# Altium PCB AiwacA33.PcbDoc (part 12 of 14) (continued)
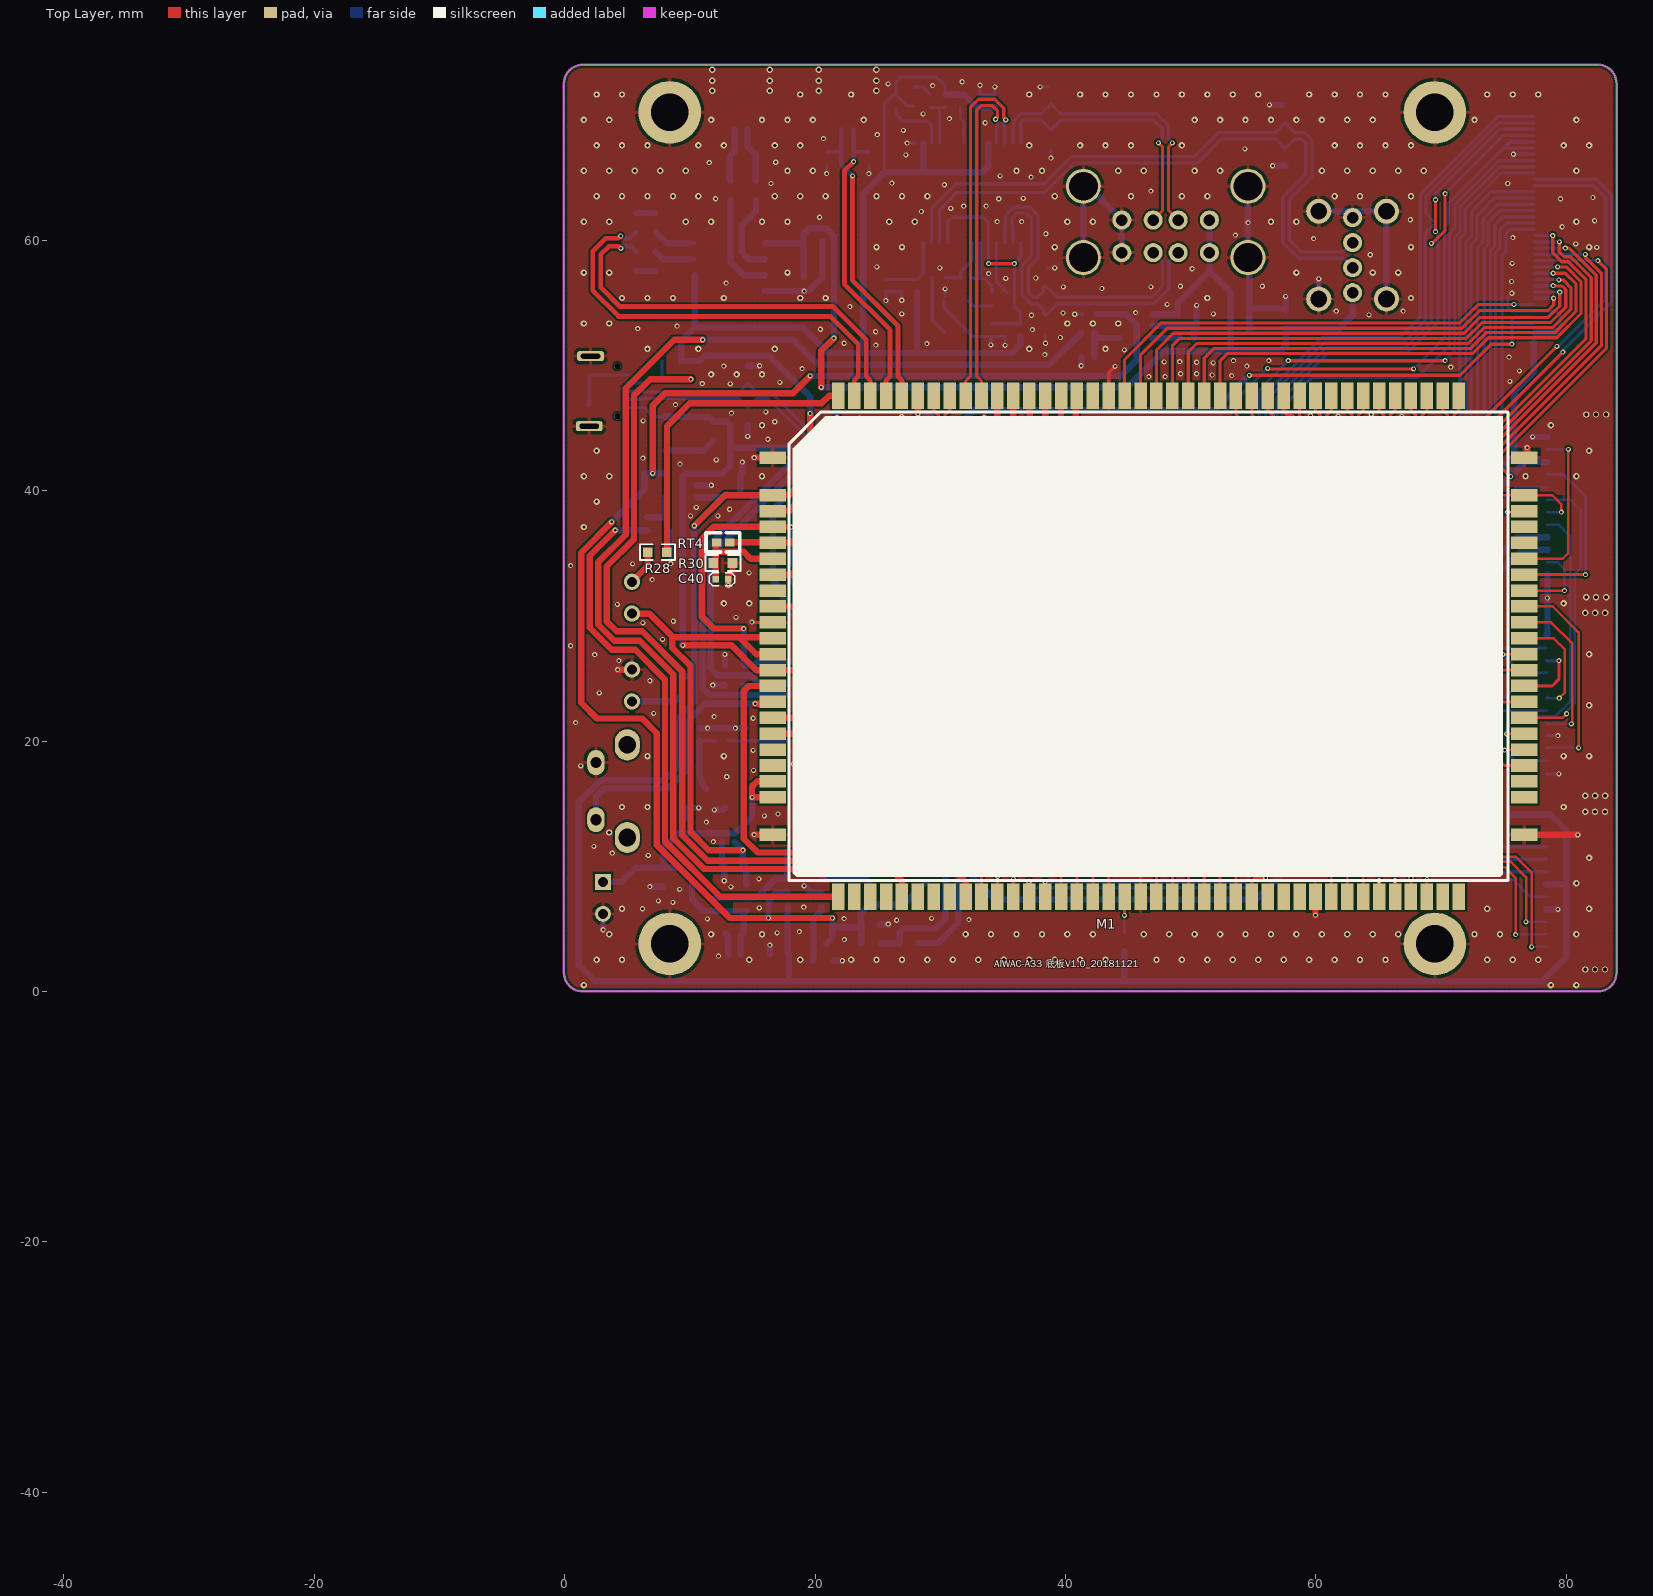
[diagram p0: Top Layer view]
## Free pads (board coordinates) (continued)
  round 0.005 on Mech3: 1(-39.047,-44.148) 1(-39.047,-44.148) 1(-39.047,-44.148) 1(-39.047,-44.096) 1(-39.047,-44.096) 1(-39.047,-44.096) 1(-38.976,-44.148) 1(-38.976,-44.148) 1(-38.976,-44.148) 1(-38.976,-44.096) 1(-38.976,-44.096) 1(-38.976,-44.096)
  round 0.005 on Mech2: 1(-39.047,-44.148) 1(-39.047,-44.148) 1(-39.047,-44.148) 1(-39.047,-44.096) 1(-39.047,-44.096) 1(-39.047,-44.096) 1(-38.976,-44.148) 1(-38.976,-44.148) 1(-38.976,-44.148) 1(-38.976,-44.096) 1(-38.976,-44.096) 1(-38.976,-44.096)
  round 0.005 on Mech10: 1(-39.047,-44.148) 1(-39.047,-44.148) 1(-39.047,-44.148) 1(-39.047,-44.096) 1(-39.047,-44.096) 1(-39.047,-44.096) 1(-38.976,-44.148) 1(-38.976,-44.148) 1(-38.976,-44.148) 1(-38.976,-44.096) 1(-38.976,-44.096) 1(-38.976,-44.096)
  round 0.005 on Mech14: 1(-39.047,-44.148) 1(-39.047,-44.148) 1(-39.047,-44.148) 1(-39.047,-44.096) 1(-39.047,-44.096) 1(-39.047,-44.096) 1(-38.976,-44.148) 1(-38.976,-44.148) 1(-38.976,-44.148) 1(-38.976,-44.096) 1(-38.976,-44.096) 1(-38.976,-44.096)
  round 0.005 on Mech15: 1(-39.047,-44.148) 1(-39.047,-44.148) 1(-39.047,-44.148) 1(-39.047,-44.096) 1(-39.047,-44.096) 1(-39.047,-44.096) 1(-38.976,-44.148) 1(-38.976,-44.148) 1(-38.976,-44.148) 1(-38.976,-44.096) 1(-38.976,-44.096) 1(-38.976,-44.096)
  round 0 on Mech5: 1(-39.047,-44.143) 1(-39.047,-44.143) 1(-39.047,-44.143) 1(-39.047,-44.143) 1(-39.047,-44.143) 1(-39.047,-44.143) 1(-39.047,-44.14) 1(-39.047,-44.14) 1(-39.047,-44.14) 1(-39.047,-44.14) 1(-39.047,-44.14) 1(-39.047,-44.14) 1(-39.046,-44.142) 1(-39.046,-44.142) 1(-39.046,-44.142) 1(-39.046,-44.142) 1(-39.046,-44.142) 1(-39.046,-44.142) 1(-39.046,-44.141) 1(-39.046,-44.141) 1(-39.046,-44.141) 1(-39.045,-44.142) 1(-39.045,-44.142) 1(-39.045,-44.142) 1(-39.045,-44.143) 1(-39.045,-44.143) 1(-39.045,-44.143) 1(-39.045,-44.143) 1(-39.045,-44.143) 1(-39.045,-44.143) 1(-39.045,-44.14) 1(-39.045,-44.14) 1(-39.045,-44.14) 1(-39.045,-44.14) 1(-39.045,-44.14) 1(-39.045,-44.14) 1(-39.043,-44.099) 1(-39.043,-44.099) 1(-39.043,-44.099) 1(-39.043,-44.11) 1(-39.043,-44.11) 1(-39.043,-44.11) 1(-39.043,-44.099) 1(-39.043,-44.099) 1(-39.043,-44.099) 1(-39.043,-44.098) 1(-39.043,-44.098) 1(-39.043,-44.098) 1(-39.043,-44.11) 1(-39.043,-44.11) 1(-39.043,-44.11) 1(-39.043,-44.109) 1(-39.043,-44.109) 1(-39.043,-44.109) 1(-39.042,-44.099) 1(-39.042,-44.099) 1(-39.042,-44.099) 1(-39.042,-44.11) 1(-39.042,-44.11) 1(-39.042,-44.11) 1(-39.04,-44.109) 1(-39.04,-44.109) 1(-39.04,-44.109) 1(-39.039,-44.109) 1(-39.039,-44.109) 1(-39.039,-44.109) 1(-39.039,-44.108) 1(-39.039,-44.108) 1(-39.039,-44.108) 1(-39.039,-44.109) 1(-39.039,-44.109) 1(-39.039,-44.109) 1(-39.038,-44.122) 1(-39.038,-44.122) 1(-39.038,-44.122) 1(-39.038,-44.122) 1(-39.038,-44.122) 1(-39.038,-44.122) 1(-39.038,-44.121) 1(-39.038,-44.121) 1(-39.038,-44.121) 1(-39.038,-44.121) 1(-39.038,-44.121) 1(-39.038,-44.121) 1(-39.038,-44.121) 1(-39.038,-44.121) 1(-39.038,-44.121) 1(-39.037,-44.122) 1(-39.037,-44.122) 1(-39.037,-44.122) 1(-39.037,-44.121) 1(-39.037,-44.121) 1(-39.037,-44.121) 1(-39.037,-44.121) 1(-39.037,-44.121) 1(-39.037,-44.121) 1(-39.036,-44.102) 1(-39.036,-44.102) 1(-39.036,-44.102) 1(-39.036,-44.122) 1(-39.036,-44.122) 1(-39.036,-44.122) 1(-39.036,-44.122) 1(-39.036,-44.122) 1(-39.036,-44.122) 1(-39.036,-44.121) 1(-39.036,-44.121) 1(-39.036,-44.121) 1(-39.036,-44.121) 1(-39.036,-44.121) 1(-39.036,-44.121) 1(-39.035,-44.103) 1(-39.035,-44.103) 1(-39.035,-44.103) 1(-39.035,-44.102) 1(-39.035,-44.102) 1(-39.035,-44.102) 1(-39.035,-44.102) 1(-39.035,-44.102) 1(-39.035,-44.102) 1(-38.995,-44.105) 1(-38.995,-44.105) 1(-38.995,-44.105) 1(-38.995,-44.105) 1(-38.995,-44.105) 1(-38.995,-44.105) 1(-38.995,-44.102) 1(-38.995,-44.102) 1(-38.995,-44.102) 1(-38.995,-44.102) 1(-38.995,-44.102) 1(-38.995,-44.102) 1(-38.995,-44.103) 1(-38.995,-44.103) 1(-38.995,-44.103) 1(-38.995,-44.104) 1(-38.995,-44.104) 1(-38.995,-44.104) 1(-38.995,-44.103) 1(-38.995,-44.103) 1(-38.995,-44.103) 1(-38.994,-44.103) 1(-38.994,-44.103) 1(-38.994,-44.103) 1(-38.994,-44.105) 1(-38.994,-44.105) 1(-38.994,-44.105) 1(-38.994,-44.105) 1(-38.994,-44.105) 1(-38.994,-44.105) 1(-38.994,-44.102) 1(-38.994,-44.102) 1(-38.994,-44.102) 1(-38.994,-44.102) 1(-38.994,-44.102) 1(-38.994,-44.102) 1(-38.994,-44.105) 1(-38.994,-44.105) 1(-38.994,-44.105) 1(-38.994,-44.105) 1(-38.994,-44.105) 1(-38.994,-44.105) 1(-38.994,-44.102) 1(-38.994,-44.102) 1(-38.994,-44.102) 1(-38.994,-44.102) 1(-38.994,-44.102) 1(-38.994,-44.102) 1(-38.993,-44.103) 1(-38.993,-44.103) 1(-38.993,-44.103) 1(-38.993,-44.104) 1(-38.993,-44.104) 1(-38.993,-44.104) 1(-38.993,-44.103) 1(-38.993,-44.103) 1(-38.993,-44.103) 1(-38.992,-44.103) 1(-38.992,-44.103) 1(-38.992,-44.103) 1(-38.992,-44.105) 1(-38.992,-44.105) 1(-38.992,-44.105) 1(-38.992,-44.105) 1(-38.992,-44.105) 1(-38.992,-44.105) 1(-38.992,-44.102) 1(-38.992,-44.102) 1(-38.992,-44.102) 1(-38.992,-44.102) 1(-38.992,-44.102) 1(-38.992,-44.102) 1(-38.978,-44.105) 1(-38.978,-44.105) 1(-38.978,-44.105) 1(-38.978,-44.105) 1(-38.978,-44.105) 1(-38.978,-44.105) 1(-38.978,-44.104) 1(-38.978,-44.104) 1(-38.978,-44.104) 1(-38.978,-44.104) 1(-38.978,-44.104) 1(-38.978,-44.104) 1(-38.978,-44.103) 1(-38.978,-44.103) 1(-38.978,-44.103) 1(-38.977,-44.103) 1(-38.977,-44.103) 1(-38.977,-44.103) 1(-38.977,-44.102) 1(-38.977,-44.102) 1(-38.977,-44.102) 1(-38.977,-44.105) 1(-38.977,-44.105) 1(-38.977,-44.105) 1(-38.977,-44.103) 1(-38.977,-44.103) 1(-38.977,-44.103) 1(-38.977,-44.105) 1(-38.977,-44.105) 1(-38.977,-44.105) 1(-38.977,-44.104) 1(-38.977,-44.104) 1(-38.977,-44.104) 1(-38.976,-44.105) 1(-38.976,-44.105) 1(-38.976,-44.105) 1(-38.975,-44.105) 1(-38.975,-44.105) 1(-38.975,-44.105) 1(-38.975,-44.105) 1(-38.975,-44.105) 1(-38.975,-44.105) 1(-38.975,-44.104) 1(-38.975,-44.104) 1(-38.975,-44.104) 1(-38.975,-44.104) 1(-38.975,-44.104) 1(-38.975,-44.104)
  round 0 on Mech4: 1(-39.046,-44.143) 1(-39.046,-44.143) 1(-39.046,-44.143) 1(-39.046,-44.143) 1(-39.046,-44.143) 1(-39.046,-44.143) 1(-39.046,-44.141) 1(-39.046,-44.141) 1(-39.046,-44.141) 1(-39.046,-44.141) 1(-39.046,-44.141) 1(-39.046,-44.141) 1(-39.045,-44.143) 1(-39.045,-44.143) 1(-39.045,-44.143) 1(-39.045,-44.143) 1(-39.045,-44.143) 1(-39.045,-44.143) 1(-39.045,-44.141) 1(-39.045,-44.141) 1(-39.045,-44.141) 1(-39.045,-44.141) 1(-39.045,-44.141) 1(-39.045,-44.141) 1(-39.044,-44.1) 1(-39.044,-44.1) 1(-39.044,-44.1) 1(-39.044,-44.1) 1(-39.044,-44.1) 1(-39.044,-44.1) 1(-39.044,-44.097) 1(-39.044,-44.097) 1(-39.044,-44.097) 1(-39.044,-44.097) 1(-39.044,-44.097) 1(-39.044,-44.097) 1(-39.043,-44.112) 1(-39.043,-44.112) 1(-39.043,-44.112) 1(-39.043,-44.112) 1(-39.043,-44.112) 1(-39.043,-44.112) 1(-39.043,-44.108) 1(-39.043,-44.108) 1(-39.043,-44.108) 1(-39.043,-44.108) 1(-39.043,-44.108) 1(-39.043,-44.108) 1(-39.042,-44.1) 1(-39.042,-44.1) 1(-39.042,-44.1) 1(-39.042,-44.1) 1(-39.042,-44.1) 1(-39.042,-44.1) 1(-39.042,-44.097) 1(-39.042,-44.097) 1(-39.042,-44.097) 1(-39.042,-44.097) 1(-39.042,-44.097) 1(-39.042,-44.097) 1(-39.042,-44.112) 1(-39.042,-44.112) 1(-39.042,-44.112) 1(-39.042,-44.112) 1(-39.042,-44.112) 1(-39.042,-44.112) 1(-39.042,-44.108) 1(-39.042,-44.108) 1(-39.042,-44.108) 1(-39.042,-44.108) 1(-39.042,-44.108) 1(-39.042,-44.108) 1(-39.041,-44.11) 1(-39.041,-44.11) 1(-39.041,-44.11) 1(-39.041,-44.11) 1(-39.041,-44.11) 1(-39.041,-44.11) 1(-39.041,-44.108) 1(-39.041,-44.108) 1(-39.041,-44.108) 1(-39.041,-44.108) 1(-39.041,-44.108) 1(-39.041,-44.108) 1(-39.038,-44.122) 1(-39.038,-44.122) 1(-39.038,-44.122) 1(-39.038,-44.122) 1(-39.038,-44.122) 1(-39.038,-44.122) 1(-39.038,-44.121) 1(-39.038,-44.121) 1(-39.038,-44.121) 1(-39.038,-44.121) 1(-39.038,-44.121) 1(-39.038,-44.121) 1(-39.038,-44.11) 1(-39.038,-44.11) 1(-39.038,-44.11) 1(-39.038,-44.11) 1(-39.038,-44.11) 1(-39.038,-44.11) 1(-39.038,-44.108) 1(-39.038,-44.108) 1(-39.038,-44.108) 1(-39.038,-44.108) 1(-39.038,-44.108) 1(-39.038,-44.108) 1(-39.036,-44.104) 1(-39.036,-44.104) 1(-39.036,-44.104) 1(-39.036,-44.104) 1(-39.036,-44.104) 1(-39.036,-44.104) 1(-39.036,-44.101) 1(-39.036,-44.101) 1(-39.036,-44.101) 1(-39.036,-44.101) 1(-39.036,-44.101) 1(-39.036,-44.101) 1(-39.036,-44.122) 1(-39.036,-44.122) 1(-39.036,-44.122) 1(-39.036,-44.122) 1(-39.036,-44.122) 1(-39.036,-44.122) 1(-39.036,-44.121) 1(-39.036,-44.121) 1(-39.036,-44.121) 1(-39.036,-44.121) 1(-39.036,-44.121) 1(-39.036,-44.121) 1(-39.034,-44.104) 1(-39.034,-44.104) 1(-39.034,-44.104) 1(-39.034,-44.104) 1(-39.034,-44.104) 1(-39.034,-44.104) 1(-39.034,-44.101) 1(-39.034,-44.101) 1(-39.034,-44.101) 1(-39.034,-44.101) 1(-39.034,-44.101) 1(-39.034,-44.101) 1(-38.995,-44.105) 1(-38.995,-44.105) 1(-38.995,-44.105) 1(-38.995,-44.105) 1(-38.995,-44.105) 1(-38.995,-44.105) 1(-38.995,-44.102) 1(-38.995,-44.102) 1(-38.995,-44.102) 1(-38.995,-44.102) 1(-38.995,-44.102) 1(-38.995,-44.102) 1(-38.994,-44.105) 1(-38.994,-44.105) 1(-38.994,-44.105) 1(-38.994,-44.105) 1(-38.994,-44.105) 1(-38.994,-44.105) 1(-38.994,-44.102) 1(-38.994,-44.102) 1(-38.994,-44.102) 1(-38.994,-44.102) 1(-38.994,-44.102) 1(-38.994,-44.102) 1(-38.993,-44.105) 1(-38.993,-44.105) 1(-38.993,-44.105) 1(-38.993,-44.105) 1(-38.993,-44.105) 1(-38.993,-44.105) 1(-38.993,-44.102) 1(-38.993,-44.102) 1(-38.993,-44.102) 1(-38.993,-44.102) 1(-38.993,-44.102) 1(-38.993,-44.102) 1(-38.992,-44.105) 1(-38.992,-44.105) 1(-38.992,-44.105) 1(-38.992,-44.105) 1(-38.992,-44.105) 1(-38.992,-44.105) 1(-38.992,-44.102) 1(-38.992,-44.102) 1(-38.992,-44.102) 1(-38.992,-44.102) 1(-38.992,-44.102) 1(-38.992,-44.102) 1(-38.979,-44.104) 1(-38.979,-44.104) 1(-38.979,-44.104) 1(-38.979,-44.104) 1(-38.979,-44.104) 1(-38.979,-44.104) 1(-38.979,-44.102) 1(-38.979,-44.102) 1(-38.979,-44.102) 1(-38.979,-44.102) 1(-38.979,-44.102) 1(-38.979,-44.102) 1(-38.978,-44.105) 1(-38.978,-44.105) 1(-38.978,-44.105) 1(-38.978,-44.105) 1(-38.978,-44.105) 1(-38.978,-44.105) 1(-38.978,-44.104) 1(-38.978,-44.104) 1(-38.978,-44.104) 1(-38.978,-44.104) 1(-38.978,-44.104) 1(-38.978,-44.104) 1(-38.976,-44.104) 1(-38.976,-44.104) 1(-38.976,-44.104) 1(-38.976,-44.104) 1(-38.976,-44.104) 1(-38.976,-44.104) 1(-38.976,-44.102) 1(-38.976,-44.102) 1(-38.976,-44.102) 1(-38.976,-44.102) 1(-38.976,-44.102) 1(-38.976,-44.102) 1(-38.976,-44.105) 1(-38.976,-44.105) 1(-38.976,-44.105) 1(-38.976,-44.105) 1(-38.976,-44.105) 1(-38.976,-44.105) 1(-38.976,-44.104) 1(-38.976,-44.104) 1(-38.976,-44.104) 1(-38.976,-44.104) 1(-38.976,-44.104) 1(-38.976,-44.104)
  round 0.001 on Mech14: 1(-39.046,-44.109) 1(-39.046,-44.109) 1(-39.046,-44.109) 1(-39.046,-44.105) 1(-39.046,-44.105) 1(-39.046,-44.105) 1(-39.027,-44.107) 1(-39.027,-44.107) 1(-39.027,-44.107) 1(-39.026,-44.107) 1(-39.026,-44.107) 1(-39.026,-44.107) 1(-38.986,-44.097) 1(-38.986,-44.097) 1(-38.986,-44.097) 1(-38.982,-44.097) 1(-38.982,-44.097) 1(-38.982,-44.097)
  round 0.001 on Mech15: 1(-39.046,-44.109) 1(-39.046,-44.109) 1(-39.046,-44.109) 1(-39.046,-44.105) 1(-39.046,-44.105) 1(-39.046,-44.105) 1(-39.041,-44.104) 1(-39.041,-44.104) 1(-39.041,-44.104) 1(-39.041,-44.102) 1(-39.041,-44.102) 1(-39.041,-44.102) 1(-39.041,-44.098) 1(-39.041,-44.098) 1(-39.041,-44.098) 1(-39.041,-44.097) 1(-39.041,-44.097) 1(-39.041,-44.097) 1(-39.04,-44.104) 1(-39.04,-44.104) 1(-39.04,-44.104) 1(-39.04,-44.102) 1(-39.04,-44.102) 1(-39.04,-44.102) 1(-39.04,-44.098) 1(-39.04,-44.098) 1(-39.04,-44.098) 1(-39.04,-44.097) 1(-39.04,-44.097) 1(-39.04,-44.097) 1(-39.038,-44.104) 1(-39.038,-44.104) 1(-39.038,-44.104) 1(-39.038,-44.102) 1(-39.038,-44.102) 1(-39.038,-44.102) 1(-39.038,-44.098) 1(-39.038,-44.098) 1(-39.038,-44.098) 1(-39.038,-44.097) 1(-39.038,-44.097) 1(-39.038,-44.097) 1(-39.037,-44.104) 1(-39.037,-44.104) 1(-39.037,-44.104) 1(-39.037,-44.102) 1(-39.037,-44.102) 1(-39.037,-44.102) 1(-39.037,-44.098) 1(-39.037,-44.098) 1(-39.037,-44.098) 1(-39.037,-44.097) 1(-39.037,-44.097) 1(-39.037,-44.097) 1(-39.027,-44.107) 1(-39.027,-44.107) 1(-39.027,-44.107) 1(-39.026,-44.107) 1(-39.026,-44.107) 1(-39.026,-44.107) 1(-38.99,-44.125) 1(-38.99,-44.125) 1(-38.99,-44.125) 1(-38.99,-44.125) 1(-38.99,-44.125) 1(-38.99,-44.125) 1(-38.989,-44.125) 1(-38.989,-44.125) 1(-38.989,-44.125) 1(-38.989,-44.125) 1(-38.989,-44.125) 1(-38.989,-44.125) 1(-38.989,-44.123) 1(-38.989,-44.123) 1(-38.989,-44.123) 1(-38.989,-44.122) 1(-38.989,-44.122) 1(-38.989,-44.122) 1(-38.988,-44.125) 1(-38.988,-44.125) 1(-38.988,-44.125) 1(-38.988,-44.125) 1(-38.988,-44.125) 1(-38.988,-44.125) 1(-38.988,-44.123) 1(-38.988,-44.123) 1(-38.988,-44.123) 1(-38.988,-44.122) 1(-38.988,-44.122) 1(-38.988,-44.122) 1(-38.986,-44.097) 1(-38.986,-44.097) 1(-38.986,-44.097) 1(-38.982,-44.097) 1(-38.982,-44.097) 1(-38.982,-44.097)
  round 0.002 on Mech3: 1(-39.045,-44.133) 1(-39.045,-44.133) 1(-39.045,-44.133) 1(-39.045,-44.132) 1(-39.045,-44.132) 1(-39.045,-44.132) 1(-39.045,-44.126) 1(-39.045,-44.126) 1(-39.045,-44.126) 1(-39.045,-44.125) 1(-39.045,-44.125) 1(-39.045,-44.125)
  round 0.002 on Mech2: 1(-39.045,-44.133) 1(-39.045,-44.133) 1(-39.045,-44.133) 1(-39.045,-44.132) 1(-39.045,-44.132) 1(-39.045,-44.132) 1(-39.045,-44.126) 1(-39.045,-44.126) 1(-39.045,-44.126) 1(-39.045,-44.125) 1(-39.045,-44.125) 1(-39.045,-44.125)
  round 0.002 on Mech10: 1(-39.045,-44.133) 1(-39.045,-44.133) 1(-39.045,-44.133) 1(-39.045,-44.132) 1(-39.045,-44.132) 1(-39.045,-44.132) 1(-39.045,-44.126) 1(-39.045,-44.126) 1(-39.045,-44.126) 1(-39.045,-44.125) 1(-39.045,-44.125) 1(-39.045,-44.125)
  round 0.001 on Mech13: 1(-39.041,-44.104) 1(-39.041,-44.104) 1(-39.041,-44.104) 1(-39.041,-44.102) 1(-39.041,-44.102) 1(-39.041,-44.102) 1(-39.041,-44.098) 1(-39.041,-44.098) 1(-39.041,-44.098) 1(-39.041,-44.097) 1(-39.041,-44.097) 1(-39.041,-44.097) 1(-39.04,-44.104) 1(-39.04,-44.104) 1(-39.04,-44.104) 1(-39.04,-44.102) 1(-39.04,-44.102) 1(-39.04,-44.102) 1(-39.04,-44.098) 1(-39.04,-44.098) 1(-39.04,-44.098) 1(-39.04,-44.097) 1(-39.04,-44.097) 1(-39.04,-44.097) 1(-39.038,-44.104) 1(-39.038,-44.104) 1(-39.038,-44.104) 1(-39.038,-44.102) 1(-39.038,-44.102) 1(-39.038,-44.102) 1(-39.038,-44.098) 1(-39.038,-44.098) 1(-39.038,-44.098) 1(-39.038,-44.097) 1(-39.038,-44.097) 1(-39.038,-44.097) 1(-39.037,-44.104) 1(-39.037,-44.104) 1(-39.037,-44.104) 1(-39.037,-44.102) 1(-39.037,-44.102) 1(-39.037,-44.102) 1(-39.037,-44.098) 1(-39.037,-44.098) 1(-39.037,-44.098) 1(-39.037,-44.097) 1(-39.037,-44.097) 1(-39.037,-44.097) 1(-38.99,-44.125) 1(-38.99,-44.125) 1(-38.99,-44.125) 1(-38.99,-44.125) 1(-38.99,-44.125) 1(-38.99,-44.125) 1(-38.989,-44.125) 1(-38.989,-44.125) 1(-38.989,-44.125) 1(-38.989,-44.125) 1(-38.989,-44.125) 1(-38.989,-44.125) 1(-38.989,-44.123) 1(-38.989,-44.123) 1(-38.989,-44.123) 1(-38.989,-44.122) 1(-38.989,-44.122) 1(-38.989,-44.122) 1(-38.988,-44.125) 1(-38.988,-44.125) 1(-38.988,-44.125) 1(-38.988,-44.125) 1(-38.988,-44.125) 1(-38.988,-44.125) 1(-38.988,-44.123) 1(-38.988,-44.123) 1(-38.988,-44.123) 1(-38.988,-44.122) 1(-38.988,-44.122) 1(-38.988,-44.122)
  round 0 on Mech11: 1(-39.039,-44.143) 1(-39.039,-44.143) 1(-39.039,-44.143) 1(-39.039,-44.143) 1(-39.039,-44.143) 1(-39.039,-44.143) 1(-39.039,-44.108) 1(-39.039,-44.108) 1(-39.039,-44.108) 1(-39.039,-44.108) 1(-39.039,-44.108) 1(-39.039,-44.108) 1(-39.036,-44.106) 1(-39.036,-44.106) 1(-39.036,-44.106) 1(-39.036,-44.106) 1(-39.036,-44.106) 1(-39.036,-44.106) 1(-38.982,-44.143) 1(-38.982,-44.143) 1(-38.982,-44.143) 1(-38.982,-44.143) 1(-38.982,-44.143) 1(-38.982,-44.143) 1(-38.982,-44.106) 1(-38.982,-44.106) 1(-38.982,-44.106) 1(-38.982,-44.106) 1(-38.982,-44.106) 1(-38.982,-44.106)
  round 0 on Mech9: 1(-39.021,-44.127) 1(-39.021,-44.127) 1(-39.021,-44.127) 1(-39.021,-44.127) 1(-39.021,-44.127) 1(-39.021,-44.127) 1(-39.021,-44.114) 1(-39.021,-44.114) 1(-39.021,-44.114) 1(-39.021,-44.114) 1(-39.021,-44.114) 1(-39.021,-44.114) 1(-39.006,-44.127) 1(-39.006,-44.127) 1(-39.006,-44.127) 1(-39.006,-44.127) 1(-39.006,-44.127) 1(-39.006,-44.127) 1(-39.006,-44.114) 1(-39.006,-44.114) 1(-39.006,-44.114) 1(-39.006,-44.114) 1(-39.006,-44.114) 1(-39.006,-44.114)
  round 0 on Mech6: 1(-39.021,-44.127) 1(-39.021,-44.127) 1(-39.021,-44.127) 1(-39.021,-44.127) 1(-39.021,-44.127) 1(-39.021,-44.127) 1(-39.021,-44.114) 1(-39.021,-44.114) 1(-39.021,-44.114) 1(-39.021,-44.114) 1(-39.021,-44.114) 1(-39.021,-44.114) 1(-39.006,-44.127) 1(-39.006,-44.127) 1(-39.006,-44.127) 1(-39.006,-44.127) 1(-39.006,-44.127) 1(-39.006,-44.127) 1(-39.006,-44.114) 1(-39.006,-44.114) 1(-39.006,-44.114) 1(-39.006,-44.114) 1(-39.006,-44.114) 1(-39.006,-44.114)

## Via types
v1: diameter 0.406, hole 0.203, Top Layer to Bottom Layer, tented both sides, 430 vias
v2: diameter 0.508, hole 0.254, Top Layer to Bottom Layer, tented both sides, 392 vias
v3: diameter 0.508, hole 0.305, Top Layer to Bottom Layer, tented both sides, 30 vias

## Nets (pads, with @x,y where several pads share a name; then routed paths per layer and width w, separated by ;. In a path a pad name is that pad's centre, name@x,y a point inside that pad or via, vN(x,y) a via of type N, cw(c..) or ccw(c..) an arc to the next point about the centre after c; other vN are vias at no path point)
ACIN5V: J1.1 J1.2 J1.3 J1.4 M1.15 M1.16 R14.1 R15.2 | length 120.1
  Top Layer w0.508: M1.16@16.629,20.585 22.265,20.585 ; M1.15@16.629,21.855 20.995,21.855 22.265,20.585 ; v1(43.282,12.573) v1(30.277,12.573) 22.265,20.585 ; v1(54.635,40.513) 70.206,40.513 71.095,41.402 v1(74.473,41.402)
  Bottom Layer w0.254: J1.4@77.405,51.802 J1.4@77.405,51.858
  Bottom Layer w0.508: R14.1@25.217,3.849 26.741,3.849 R15.2@26.766,3.874 26.766,4.719 27.076,5.029 29.616,5.029 30.395,5.808 30.395,12.455 v1(30.277,12.573) ; v1(43.282,12.573) 53.848,12.573 54.635,13.36 v1(54.635,40.513) ; v1(74.473,41.402) 75.844,42.774 75.844,47.879 77.405,49.439 J1.1@77.405,50.358 J1.2@77.405,50.858 J1.3@77.405,51.358 J1.4@77.405,51.802
AP-CK32KO: M1.110 R34.2 R36.2 | length 25.6
  Top Layer w0.254: M1.110@34.564,47.193 M1.110@34.564,47.57
  Top Layer w0.508: v1(34.074,24.422) 34.074,44.895 34.564,45.385 M1.110@34.564,47.193
  Bottom Layer w0.508: v1(34.074,24.422) R36.2@34.074,25.172 R34.2@34.074,26.645
AP-UART1-CTS: M1.38 U6.41 | length 27.4
  Top Layer w0.254: v1(21.996,16.993) 25.103,16.993 30.056,12.04 40.97,12.04 43.454,9.556 M1.38@43.454,7.57
  Bottom Layer w0.254: v1(21.996,16.993) 22.003,16.999 U6.41@22.003,17.845
AP-UART1-RTS: M1.37 U6.44 | length 29.3
  Top Layer w0.254: v1(19.304,16.815) 19.609,16.51 23.892,16.51 28.769,11.633 40.767,11.633 42.184,10.216 M1.37@42.184,7.57
  Bottom Layer w0.254: U6.44@19.303,17.845 v1(19.304,16.815) v1(19.304,16.815)
AP-UART1-RX: M1.35 R25.2 U6.42 | length 25.8
  Top Layer w0.254: v1(22.25,15.189) 24.054,15.189 28.423,10.82 39.192,10.82 39.644,10.368 M1.35@39.644,7.57 M1.35@39.7,7.626
  Bottom Layer w0.254: R25.2@21.534,15.19 v1(22.25,15.189)
  Bottom Layer w0.508: U6.42@21.103,17.845 21.103,16.556 21.534,16.125 R25.2@21.534,15.19
AP-UART1-TX: M1.36 R26.2 U6.43 | length 29
  Top Layer w0.254: v1(19.99,15.951) 23.876,15.951 28.6,11.227 40.335,11.227 40.914,10.648 M1.36@40.914,7.57
  Bottom Layer w0.508: R26.2@20.035,15.19 19.99,15.235 v1(19.99,15.951) 19.99,16.358 20.203,16.571 U6.43@20.203,17.845
AVDD-CSI: C19.1 J3.3 M1.8 | length 77.2
  Top Layer w0.254: v1(41.859,44.069) 42.545,43.383 57.483,43.383 58.93,41.935 59.479,41.935 ; 59.53,41.935 74.694,41.935 75.507,41.123 v1(75.54,41.123)
  Top Layer w0.508: M1.8@16.629,30.745 18.201,30.745 18.872,30.074 18.898,30.099 20.035,30.099 20.879,30.943 20.879,37.948 23.19,40.259 31.433,40.259 33.325,42.15 v1(33.325,44.069)
  Bottom Layer w0.508: v1(33.325,44.069) v1(41.859,44.069) ; C19.1@73.56,40.03 74.447,40.03 v1(75.54,41.123) 76.695,42.278 J3.3@78.486,42.278
B2: J1.10 M1.102 | length 37.4
  Top Layer w0.254: M1.102@44.724,47.57 44.724,50.465 47.65,53.391 71.501,53.391 72.644,54.534 ; 72.647,54.531 72.974,54.858 v1(75.813,54.858)
  Bottom Layer w0.254: v1(75.813,54.858) J1.10@77.405,54.858
B3: J1.11 M1.101 | length 40
  Top Layer w0.254: M1.101@45.994,47.57 45.994,50.846 48.112,52.963 71.654,52.963 73.067,54.376 78.531,54.376 78.994,54.839 v1@78.994,55.347
  Bottom Layer w0.254: J1.11@77.405,55.358 v1(78.982,55.358)
B4: J1.12 M1.100 | length 40.5
  Top Layer w0.254: M1.100@47.264,47.57 47.264,51.201 48.62,52.557 71.823,52.557 73.095,53.829 78.559,53.829 79.465,54.735 v1(79.465,55.841)
  Bottom Layer w0.254: J1.12@77.405,55.858 79.448,55.858 v1(79.465,55.841)
B5: J1.13 M1.99 | length 40.8
  Top Layer w0.254: M1.99@48.534,47.57 48.534,51.557 49.128,52.15 71.991,52.15 73.263,53.423 78.728,53.423 79.948,54.643 79.948,56.041 79.651,56.337 78.96,56.337 v1(78.939,56.358)
  Bottom Layer w0.254: J1.13@77.405,56.358 v1(78.939,56.358)
B6: J1.14 M1.98 | length 40.4
  Top Layer w0.254: M1.98@49.804,47.57 49.804,51.074 50.474,51.744 72.159,51.744 73.431,53.016 78.896,53.016 80.354,54.474 80.354,56.209 79.743,56.82 v1(79.4,56.82)
  Bottom Layer w0.254: J1.14@77.405,56.858 77.422,56.841 79.379,56.841 v1(79.4,56.82)
B7: J1.15 M1.97 | length 40.1
  Top Layer w0.254: M1.97@51.074,47.57 51.074,50.566 51.846,51.338 72.328,51.338 73.6,52.61 79.064,52.61 80.76,54.306 80.76,56.501 79.908,57.353 v1(78.943,57.353)
  Bottom Layer w0.254: J1.15@77.405,57.358 78.938,57.358 v1(78.943,57.353)
BT-HOST-WAKE: M1.106 U6.7 | length 52.6
  Top Layer w0.508: v1(39.644,41.61) M1.106@39.644,47.57
  Bottom Layer w0.508: 12.246,25.248 11.684,25.81 11.684,34.823 18.471,41.61 v1(39.644,41.61) ; 12.247,25.248 14.87,25.248 15.548,24.57 U6.7@17.978,24.57
BT-RST-N: M1.109 R27.1 U6.34 | length 37.2
  Top Layer w0.254: M1.109@35.834,47.193 M1.109@35.834,47.57
  Top Layer w0.508: v1(31.267,17.856) 31.267,20.543 34.734,24.01 34.734,44.621 35.834,45.721 M1.109@35.834,47.193
  Bottom Layer w0.508: R27.1@28.29,15.19 28.303,15.202 U6.34@28.303,17.845 28.314,17.856 v1(31.267,17.856)
BT-WAKE: M1.105 R31.1 U6.6 | length 57
  Top Layer w0.508: v1(40.818,42.291) 40.818,47.361 40.97,47.514 M1.105@40.914,47.57
  Bottom Layer w0.508: R31.1@14.32,24.461 14.32,23.716 14.275,23.67 ; U6.6@17.978,23.67 14.275,23.67 ; v1(40.818,42.291) 19.431,42.291 19.411,42.271 18.141,42.271 11.024,35.154 11.024,24.232 11.582,23.673 12.014,23.673 12.018,23.67 14.275,23.67
CHGLED: M1.120 R28.2 | length 24.8
  Top Layer w0.508: R28.2@8.179,35.077 8.179,45.136 10.008,46.965 20.523,46.965 21.128,47.57 M1.120@21.864,47.57
DC5V: C16.1 C17.2 C32.2 C47.2 D9.2 R14.2 R16.2 U2.5 U5.5 U7.5 | length 122.9
  Top Layer w0.508: v1(3.765,37.491) 1.321,35.047 1.321,23.063 2.591,21.793 6.198,21.793 7.366,20.625 7.366,11.702 13.2,5.867 v1(16.281,5.867) v1(21.387,5.867) ; v1(7.036,41.377) 7.036,46.787 8.026,47.777 18.237,47.777 v1(19.609,49.149)
  Bottom Layer w0.508: v1(3.765,37.491) 6.401,40.127 C32.2@6.401,41.377 v1(7.036,41.377) 8.009,41.377 U5.5@8.021,41.365 ; v1(16.281,5.867) 16.281,7.264 16.892,7.875 U2.5@17.8,7.875 ; v1(19.609,49.149) 44.425,49.149 45.695,50.419 45.695,53.238 44.843,54.09 U7.5@44.394,54.09 44.382,54.102 C47.2@42.443,54.102 ; C16.1@20.899,3.811 21.382,4.293 R16.2@21.382,5.131 ; v1(21.387,5.867) 21.382,5.862 R16.2@21.382,5.131 ; R14.2@23.693,3.849 23.693,4.928 ; D9.2@28.839,8.713 27.06,6.934 24.333,6.934 23.642,6.243 C17.2@23.642,5.373 23.693,5.322 23.693,4.928 ; R16.2@21.382,5.131 23.489,5.131 23.693,4.928
DM1: D3.1 J4.6 U1.27 | length 23.6
  Top Layer w0.254: v1(48.539,67.767) 48.235,67.462 48.235,62.362 J4.6@48.997,61.6
  Bottom Layer w0.254: U1.27@35.799,67.716 35.799,69.037 35.87,69.108 35.87,69.552 36.421,70.104 38.062,70.104 D3.1@38.824,70.866 39.599,70.091 47.264,70.091 48.235,69.121 48.235,68.072 v1(48.539,67.767)
DM2: D5.1 J4.2 U1.2 | length 27
  Bottom Layer w0.254: U1.2@35.799,59.817 35.799,61.138 35.728,61.209 35.728,61.773 36.109,62.154 36.906,62.154 37.287,61.773 37.287,58.75 36.525,57.988 36.525,55.619 37.223,54.921 37.744,54.921 38.265,54.4 38.265,54.102 D5.1@38.392,53.975 39.338,54.921 47.08,54.921 48.251,56.092 48.251,58.254 J4.2@48.997,59
DM4: D7.1 J5.2 U1.11 | length 50.1
  Bottom Layer w0.254: U1.11@29.947,59.817 29.947,62.433 31.318,63.805 38.336,63.805 40.698,66.167 50.546,66.167 52.451,68.072 56.769,68.072 D7.1@57.556,67.285 58.344,68.072 58.877,68.072 59.182,67.767 59.182,65.26 57.353,63.431 57.353,59.81 58.617,58.546 62.177,58.546 J5.2@62.923,57.8
DOVDD-CSI: C11.1 C12.1 C13.1 J3.10 M1.2 R9.2 R12.1 | length 86.7
  Top Layer w0.508: M1.2@16.629,38.365 17.924,38.365 21.812,42.253 22.359,42.253 22.372,42.24 30.582,42.24 31.293,42.951 v1(31.293,45.085) ; v1(41.808,45.085) 42.977,43.917 57.704,43.917 v1@59.151,42.469
  Bottom Layer w0.203: R12.1@72.078,38.43 C12.1@73.558,36.95
  Bottom Layer w0.254: R12.1@72.06,38.43 R12.1@72.078,38.43 ; C12.1@73.558,36.805 C12.1@73.558,36.95
  Bottom Layer w0.508: v1(31.293,45.085) v1(41.808,45.085) ; v1(59.151,42.449) 71.704,29.896 73.05,29.896 73.482,30.328 C13.1@73.482,30.963 73.482,32.207 R9.2@73.584,32.309 73.508,32.385 C11.1@73.508,33.604 74.701,33.604 ; 64.389,37.211 65.608,38.43 R12.1@72.06,38.43 ; 74.803,33.604 76.477,35.278 J3.10@78.486,35.278
DP1: D2.1 J4.7 U1.28 | length 21.9
  Top Layer w0.254: J4.7@46.997,61.6 47.743,62.346 47.743,67.446 v1(47.422,67.767)
  Bottom Layer w0.254: U1.28@36.449,67.716 36.449,69.037 36.378,69.108 36.378,69.342 36.632,69.596 38.049,69.596 D2.1@38.837,68.809 39.611,69.583 47.054,69.583 47.727,68.91 47.727,68.072 v1(47.422,67.767)
DP2: D4.1 J4.3 U1.3 | length 27
  Bottom Layer w0.254: U1.3@35.149,59.817 35.149,61.138 35.22,61.209 35.22,61.983 35.898,62.662 37.117,62.662 37.795,61.983 37.795,58.54 37.033,57.778 37.033,55.829 37.433,55.429 37.744,55.429 38.252,55.937 38.252,56.248 D4.1@38.379,56.375 39.326,55.429 46.869,55.429 47.743,56.302 47.743,58.254 J4.3@46.997,59
DP4: D6.1 J5.3 U1.12 | length 51
  Bottom Layer w0.254: U1.12@29.296,59.817 29.296,62.501 31.286,64.491 38.303,64.491 40.488,66.675 50.336,66.675 52.241,68.58 56.756,68.58 D6.1@57.544,69.367 58.331,68.58 59.088,68.58 59.69,67.978 59.69,65.049 57.861,63.221 57.861,60.02 58.827,59.054 62.177,59.054 J5.3@62.923,59.8
DVDD1V8-CSI: C18.1 J3.9 M1.13 | length 106.1
  Top Layer w0.508: M1.13@16.629,24.395 14.707,24.395 14.311,23.999 14.311,12.207 15.418,11.1 26.619,11.1 27.432,10.287 31.445,10.287 v1(32.334,9.398) ; v1(58.522,23.114) 58.522,27.483 59.969,28.931 73.203,28.931 74.422,30.15 v1(74.422,35.052)
  Bottom Layer w0.508: v1(32.334,9.398) 34.392,7.341 55.22,7.341 58.522,10.643 v1(58.522,23.114) ; C18.1@73.521,35.052 v1(74.422,35.052) 74.841,35.052 76.066,36.278 J3.9@78.486,36.278
G2: J1.16 M1.96 | length 40
  Top Layer w0.254: M1.96@52.344,47.57 52.344,50.363 52.912,50.931 72.496,50.931 73.768,52.203 79.233,52.203 81.167,54.138 81.167,56.679 79.985,57.861 v1(79.299,57.861)
  Bottom Layer w0.254: J1.16@77.405,57.858 79.296,57.858 v1(79.299,57.861)